# Altium PCB roach2.PcbDoc (part 26 of 39)
Units mil, origin at the board's own origin, x right, y up, seen from the top; angles counter-clockwise.
Board outline 12007.87 x 9606.3 mil, 16 copper layers (L1_TOP, L2_G, L3_S, L4_G, L5_S, L6_P, L7_G, L8_R, L9_R, L10_P, L11_P, L12_S, L13_P, L14_S, L15_G, L16_BOT), stack 81.651 mil thick; 1568 components, 1918 nets, 9251 pads, 6741 vias.
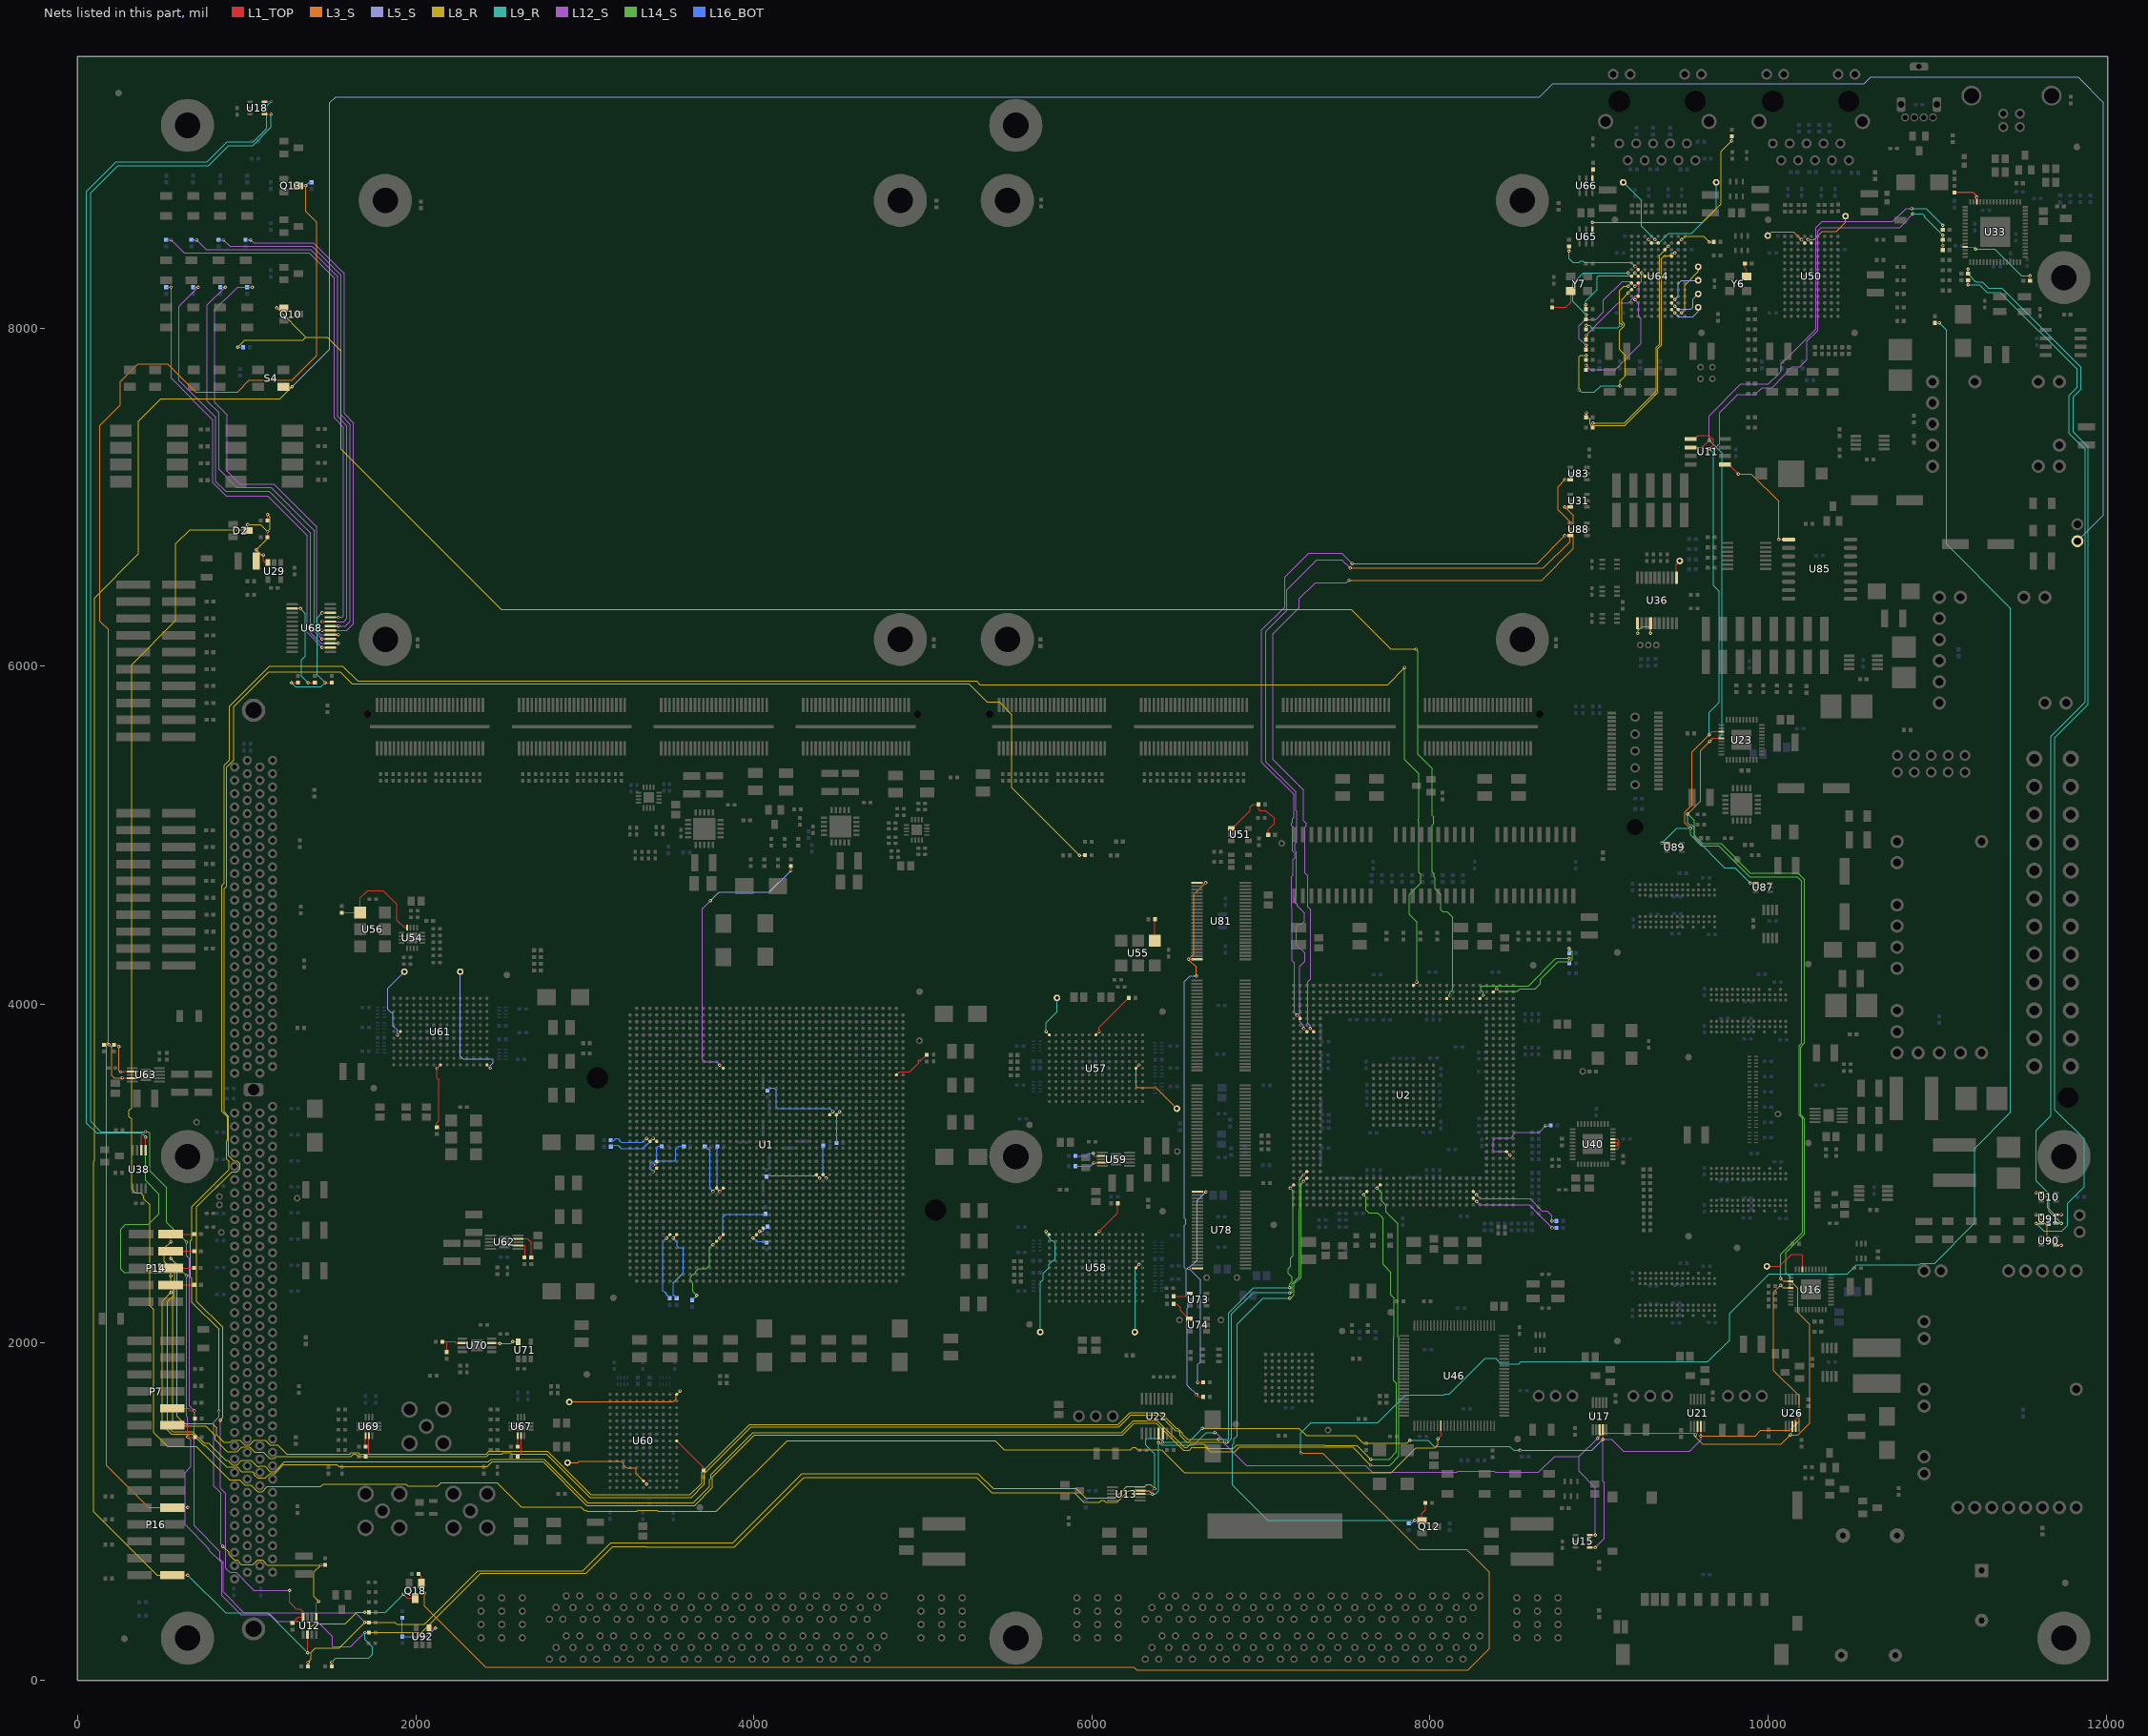
[diagram p40: the nets of this part, all layers, seen from the top]

## Via types
v1: diameter 19.4, hole 10, L1_TOP to L16_BOT, tented both sides, 3354 vias
v2: diameter 19.4, hole 10, L1_TOP to L16_BOT, 1954 vias
v3: diameter 19.4, hole 10, L1_TOP to L16_BOT, tented top, 429 vias
v4: diameter 18.6, hole 10, L1_TOP to L16_BOT, tented both sides, 311 vias
v5: diameter 59.06, hole 39.37, L1_TOP to L16_BOT, 217 vias
v6: diameter 19.4, hole 10.04, L1_TOP to L16_BOT, 125 vias
v7: diameter 19, hole 10, L1_TOP to L16_BOT, 93 vias
v8: diameter 19.4, hole 10, L1_TOP to L16_BOT, tented bottom, 80 vias
v9: diameter 25.98, hole 12.99, L1_TOP to L16_BOT, tented top, 55 vias
v10: diameter 20, hole 10, L1_TOP to L16_BOT, 53 vias
v11: diameter 59.06, hole 39.37, L1_TOP to L16_BOT, tented top, 44 vias
v12: diameter 20, hole 10, L1_TOP to L16_BOT, tented top, 16 vias
v13: diameter 19, hole 10, L1_TOP to L16_BOT, tented top, 5 vias
v14: diameter 25.98, hole 12.99, L1_TOP to L16_BOT, 4 vias
v15: diameter 50, hole 28, L1_TOP to L16_BOT, 1 vias

## Nets (pads, with @x,y where several pads share a name; then routed paths per layer and width w, separated by ;. In a path a pad name is that pad's centre, name@x,y a point inside that pad or via, vN(x,y) a via of type N, cw(c..) or ccw(c..) an arc to the next point about the centre after c; other vN are vias at no path point) (continued)
NetR250_2: R250.2 U2.AJ32 | length 702.5
  L1_TOP w5: U2.AJ32@8295.75,4033.86 v1(8315.43,4053.54)
  L14_S w3.8: v1(8315.43,4053.54) 8315.43,4070.85 8299.83,4086.45 8299.83,4099.38 8308.97,4108.51 8582.51,4108.51 8744.99,4270.99 v2(8822.99,4270.99)
  L16_BOT w5: v2(8822.99,4270.99) 8823.31,4270.68 R250.2@8823.31,4242.99
NetR251_2: R251.2 U2.AL33 | length 674
  L1_TOP w5: U2.AL33@8374.49,4073.23 v1(8394.17,4092.91)
  L14_S w3.8: v1(8394.17,4092.91) 8409.77,4077.31 8518.75,4077.31 8532.42,4090.99 8620.99,4090.99 8652.99,4122.99 8652.99,4148.08 8757.9,4252.99 8827.05,4252.99 8840.99,4266.93 8840.99,4312.99 v2(8822.99,4330.99)
  L16_BOT w5: v2(8822.99,4330.99) 8823.31,4330.68 R251.2@8823.31,4302.99
NetR255_1: R255.1 U1.AH10 | length 1678.5
  L1_TOP w5: v1(3798.31,3640.2) 3817.68,3620.83 U1.AH10@3818,3620.51 ; v2(4218.99,4791.65) R255.1@4218.99,4818.31
  L5_S w3.8: v2(3742.99,4612.99) 3794.59,4664.59 4091.94,4664.59 v2(4218.99,4791.65)
  L12_S w3.8: v2(3742.99,4612.99) 3698.99,4568.99 3696.99,4568.99 3696.99,3674.99 3712.99,3658.99 3779.52,3658.99 v1(3798.31,3640.2)
NetR257_1: R257.1 R262.2 U51.1 | length 490.7
  L1_TOP w5: U51.1@6823.15,5042.99 U51.1@6824.8,5041.34 6831.34,5041.34 6934.99,5144.99 6934.99,5164.99 6952.99,5182.99 R262.2@6985.31,5182.99 6985.31,5153.61 6991.93,5146.99 7026.99,5146.99 7054.39,5119.59 7060.1,5119.59 7078.99,5100.71 7078.99,5068.99 7043.31,5033.31 R257.1@7043.31,5002.99
NetR264_1: R264.1 U1.AR35 | length 456
  L1_TOP w5: v1(3522.72,2616.57) U1.AR35@3542.41,2636.26
  L16_BOT w5: v1@3523.62,2618.11 3523.62,2616.57 3523.62,2613.36 3545.89,2591.09 3545.89,2570.49 3555.38,2561 3575.98,2561 3583.99,2552.99 3583.99,2409.99 3524.99,2350.99 3524.99,2280.68 3542.99,2262.68 R264.1@3542.99,2266.4
NetR265_2: R265.2 U1.AT35 | length 412.6
  L1_TOP w5: v1(3483.35,2616.57) U1.AT35@3503.04,2636.26
  L16_BOT w5: v1@3484.25,2618.11 3483.03,2616.89 3461.99,2595.85 3461.99,2303.68 3466.01,2299.66 3471.28,2299.66 3480.77,2290.17 3480.77,2284.9 R265.2@3502.99,2262.68
NetR266_1: R266.1 U1.AV21 | length 316
  L1_TOP w5: v1(3404.61,3207.13) 3423.98,3187.76 U1.AV21@3424.3,3187.44
  L16_BOT w5: R266.1@3154.68,3157.99 3162.49,3165.81 3195.69,3165.81 3215.37,3146.12 3342.97,3146.12 3404.29,3207.45 v1@3405.51,3208.66
NetR267_2: R267.2 U1.AW21 | length 266.9
  L1_TOP w5: v1(3365.24,3207.13) 3384.61,3187.76 U1.AW21@3384.93,3187.44
  L16_BOT w5: R267.2@3153.68,3195.99 3173.08,3195.99 3182.27,3205.18 3197.81,3205.18 3207.99,3194.99 3207.99,3189.99 3214.99,3182.99 3340.47,3182.99 3364.92,3207.45 v1@3366.14,3208.66
NetR268_2: R268.2 U1.B11 | length 284.7
  L1_TOP w5: U1.B11@4841.62,3581.14 4842.84,3582.36 4861.94,3601.46 4922.09,3601.46 4973.73,3653.09 ccw(c4970.2,3656.63) 4973.73,3660.17 4972.96,3660.94 cw(c4976.49,3664.48) 4972.96,3668.01 cw(c4976.49,3664.48) 4980.03,3668.01 4980.8,3667.24 ; R268.2@5012.09,3691.46 4987.87,3667.24 ; 4980.8,3667.24 ccw(c4984.34,3670.77) 4987.87,3667.24 ; 4980.8,3667.24 ccw(c4984.34,3670.77) 4987.87,3667.24 ; 4980.8,3667.24 ccw(c4984.34,3670.77) 4987.87,3667.24 ; 4980.8,3667.24 ccw(c4984.34,3670.77) 4987.87,3667.24 ; 4980.8,3667.24 ccw(c4984.34,3670.77) 4987.87,3667.24 ; 4980.8,3667.24 ccw(c4984.34,3670.77) 4987.87,3667.24 ; 4980.8,3667.24 ccw(c4984.34,3670.77) 4987.87,3667.24 ; 4980.8,3667.24 ccw(c4984.34,3670.77) 4987.87,3667.24
NetR270_1: R270.1 U33.29 | length 483.1
  L1_TOP w5: U33.29@11164.84,8480.41 11216.44,8480.41 v13(11228.35,8468.5) ; R270.1@11549.68,8280 v3@11549.69,8307.49
  L9_R w3.94: v13(11228.35,8468.5) 11339.5,8468.5 11498.51,8309.49 v3(11549.69,8309.49)
NetR271_2: R271.2 U55.1 | length 126.3
  L1_TOP w5: R271.2@6372.68,4502.99 6372.99,4502.68 U55.1@6372.99,4376.81
NetR273_2: R273.2 U54.8 U56.1 | length 635.9
  L1_TOP w5: R273.2@1562.99,4542.31 1670.49,4542.31 U56.1@1671.17,4542.99 1671.17,4629.17 1714.99,4672.99 1806.99,4672.99 1888.99,4590.99 1888.99,4496.99 1931.97,4454.02 U54.8@1948.46,4454.02
NetR284_2: R284.2 Y7.1 | length 191
  L1_TOP w5: R284.2@8722.99,8123.31 8748.99,8123.31 ; 8750.99,8123.31 8748.99,8123.31 ; Y7.1@8832.99,8219.68 8832.99,8152.99 8803.31,8123.31 8748.99,8123.31
NetR285_1: R285.1 U2.AH3 | length 582.8
  L1_TOP w5: U2.AH3@8256.38,2892.13 v1(8276.06,2872.44)
  L12_S w3.8: v1(8276.06,2872.44) 8297.51,2850.99 8590.99,2850.99 8663.08,2778.91 8693.08,2778.91 8721.99,2749.99 v2(8721.99,2717.99)
  L16_BOT w5: v2(8721.99,2717.99) R285.1@8748.31,2717.99
NetR286_1: R286.1 U2.AH2 | length 564.3
  L1_TOP w5: U2.AH2@8256.38,2852.76 v1(8276.06,2833.07)
  L12_S w3.8: v1(8276.06,2833.07) 8296.14,2812.99 8584.99,2812.99 8719.99,2677.99 v2(8721.99,2677.99)
  L16_BOT w5: v2(8721.99,2677.99) R286.1@8748.31,2677.99
NetR287_1: R287.1 U2.AN9 | length 574.2
  L1_TOP w5: U2.AN9@8453.23,3128.35 v1(8472.91,3108.66)
  L12_S w3.8: v1(8472.91,3108.66) 8452.58,3128.99 8378.99,3128.99 8372.99,3134.99 8372.99,3192.99 8388.99,3208.99 8477.2,3208.99 8492.99,3224.79 8492.99,3229.54 8505.82,3242.37 8646.37,3242.37 v2@8684.99,3280.99
  L16_BOT w5: v2(8685.02,3282.99) R287.1@8711.34,3282.99
NetR317_1: R317.1 U1.AV24 | length 288.6
  L1_TOP w5: v1(3404.61,3049.64) U1.AV24@3424.3,3069.33
  L16_BOT w5: v1(3404.61,3049.64) 3420.4,3049.64 3443.57,3072.81 3529.43,3072.81 3538.92,3082.3 3538.92,3140.91 3558.01,3160 R317.1@3585.32,3160
NetR318_2: R318.2 U1.AV25 | length 230.9
  L1_TOP w5: v1(3404.61,3010.27) U1.AV25@3424.3,3029.96
  L16_BOT w5: v1(3404.61,3010.27) 3388.41,3026.47 3388.41,3056.35 3399.05,3066.99 3410,3066.99 3424,3080.99 3424,3149.99 3434.01,3160 R318.2@3455.31,3160
NetR319_1: R319.1 U1.AC35 | length 118.8
  L1_TOP w5: v1(3995.16,2616.57) U1.AC35@4014.85,2636.26
  L16_BOT w5: v1(3995.16,2616.57) 3998.5,2616.57 4019.08,2596 4048,2596 4054,2590 4074.68,2590 R319.1@4075,2589.68
NetR320_1: R320.1 U57.H11 | length 307
  L1_TOP w5: U57.H11@6023.62,3818.9 v1(6043.31,3838.58) 6043.31,3863.62 6217.99,4038.31 R320.1@6222.99,4043.31
NetR321_1: R321.1 U58.H11 | length 238.7
  L1_TOP w5: U58.H11@6023.62,2637.8 v1(6043.31,2657.48) 6152.68,2766.85 R321.1@6152.68,2822.99
NetR323_2: R323.2 U59.7 | length 179.4
  L1_TOP w5: v2(6007.87,3118.11) 6007.87,3106.3 6011.81,3102.36 U59.7@6061.97,3102.36
  L1_TOP w8: U59.7@6061.97,3102.36 U59.7@6062.28,3102.68
  L16_BOT w5: R323.2@5902.68,3102.99 5965.2,3102.99 5980.31,3118.11 v2(6007.87,3118.11)
NetR324_2: R324.2 U59.9 | length 168
  L1_TOP w5: v2(6012.13,3063.31) U59.9@6062.28,3063.31
  L16_BOT w5: R324.2@5902.68,3042.99 5991.81,3042.99 v2(6012.13,3063.31)
NetR325_1: R325.1 U1.AJ36 | length 470.8
  L1_TOP w5: v1(3758.94,2577.2) U1.AJ36@3778.63,2596.89
  L14_S w3.8: v2@3664.6,2280.64 v2(3661.89,2277.93) 3640,2299.82 3640,2349.99 3625.23,2364.75 3625.23,2386.81 3640,2401.58 3644.75,2401.58 3656.43,2413.26 3656.43,2418.01 3673.74,2435.32 3718,2435.32 3738,2455.32 3738,2560 v1@3758,2580
  L16_BOT w5: R325.1@3635,2249.68 v2@3662,2276.68
NetR326_2: R326.2 U1.AB34 | length 85.2
  L1_TOP w5: v1(4034.53,2655.94) U1.AB34@4054.22,2675.63
  L16_BOT w5: v1(4034.53,2655.94) 4051.26,2655.94 R326.2@4080,2684.69
NetR327_2: R327.2 U1.AH35 | length 421
  L1_TOP w5: v1(3798.31,2616.57) U1.AH35@3818,2636.26
  L16_BOT w5: v1(3798.31,2616.57) 3818,2636.26 3818,2742 3833.85,2757.85 4067.54,2757.85 R327.2@4070,2760.31
NetR328_1: R328.1 U1.AH28 | length 303.7
  L1_TOP w5: v1(3798.31,2892.16) U1.AH28@3818,2911.85
  L16_BOT w5: R328.1@3785.32,3160 3782.11,3156.8 3782.11,2908.36 v1(3798.31,2892.16)
NetR329_2: R329.2 U1.AJ28 | length 321.5
  L1_TOP w5: v1(3758.94,2892.16) U1.AJ28@3778.63,2911.85
  L16_BOT w5: R329.2@3710.31,3160 3710.87,3160 3726.87,3144 3730,3144 3740,3134 3740,3126.75 ; 3740,3130.31 3740,3126.75 ; v1(3758.94,2892.16) 3740,2911.11 3740,3126.75
NetR330_1: R330.1 U1.P26 | length 351.2
  L1_TOP w5: U1.P26@4369.18,2990.59 v1(4388.87,2970.9)
  L16_BOT w5: R330.1@4075,2980.32 4081.79,2987.1 4372.67,2987.1 v1(4388.87,2970.9)
NetR331_2: R331.2 U1.N26 | length 229.6
  L1_TOP w5: U1.N26@4408.55,2990.59 v1(4428.24,2970.9)
  L16_BOT w5: R331.2@4410.31,3165 4410,3164.69 4410,2989.14 v1(4428.24,2970.9)
NetR332_1: R332.1 U1.L17 | length 219.3
  L1_TOP w5: U1.L17@4487.29,3344.92 4488.51,3346.14 v1(4506.98,3364.61)
  L16_BOT w5: R332.1@4490.31,3180 4490.31,3347.95 v1(4506.98,3364.61)
NetR333_2: R333.2 U1.M17 | length 538.3
  L1_TOP w5: U1.M17@4448.82,3346.46 v1(4467.29,3364.92)
  L16_BOT w5: R333.2@4080,3489.69 4096.31,3506 4106.45,3506 4106.57,3505.89 4120.11,3505.89 4134,3492 4134,3390 4140,3384 4448.21,3384 v1(4467.29,3364.92)
NetR348_1: R348.1 R349.1 U92.4 | length 366.6
  L1_TOP w5: U92.4@2077.4,311.18 2114.82,311.18 v7(2116,310)
  L16_BOT w5: R348.1@1920,370.32 R349.1@1920,259.68 2065.68,259.68 v7(2116,310)
NetR371_1: R371.1 U60.H11 | length 240.8
  L1_TOP w5: U60.H11@3543.31,1417.32 3702.99,1257.64 R371.1@3702.99,1242.68
NetR372_1: R372.1 U61.H11 | length 388.7
  L1_TOP w5: R372.1@2124.99,3271.68 2124.99,3299.99 2134.99,3309.99 2134.99,3555.49 2125.98,3564.5 v1(2125.98,3622.05) U61.H11@2145.67,3641.73 ; R372.1@2125.98,3269.08 R372.1@2125.98,3271.68
NetR374_2: R374.2 U62.7 | length 115.1
  L1_TOP w5: U62.7@2603.7,2573.31 2646.68,2573.31 2646.68,2506.36 R374.2@2642.99,2502.68
NetR375_2: R375.2 U62.9 | length 176
  L1_TOP w5: U62.9@2603.7,2612.68 2660.31,2612.68 2682.99,2589.99 R375.2@2682.99,2502.68
NetR380_2: R380.2 U63.7 | length 260
  L1_TOP w5: R380.2@214.8,3761.02 232.96,3761.02 v2(242.99,3750.99) ; v2(254.99,3599.59) 271.59,3599.59 274.68,3602.68 U63.7@322.28,3602.68
  L3_S w3.8: v2(242.99,3750.99) 242.99,3606.99 250.39,3599.59 v2(254.99,3599.59)
NetR382_2: R382.2 U63.9 | length 349.2
  L1_TOP w5: R382.2@154.8,3761.02 v2(184.99,3760.99) ; v2(264.99,3564.99) 266.68,3563.31 U63.9@322.28,3563.31
  L3_S w3.8: v2(184.99,3760.99) v2@184.99,3762.99 ; v2@185.99,3761.99 202.99,3744.99 202.99,3576.99 214.99,3564.99 v2(264.99,3564.99)
NetR391_1: R391.1 U65.4 | length 1274.4
  L1_TOP w5: U65.4@8960.39,8586.3 v2(8960.39,8626.3) v2@8960.39,8628.3 ; v2(9784.99,9108.73) R391.1@9784.99,9135.31
  L8_R w3.8: v2(8960.39,8626.3) 9612.3,8626.3 9722.99,8736.99 9722.99,9046.73 v2(9784.99,9108.73)
NetR396_1: R396.1 U66.4 | length 54.9
  L1_TOP w5: U66.4@8960.39,8886.3 8960.39,8934.71 R396.1@8964.99,8939.31
NetR400_2: R400.2 U64.L4 | length 1395.3
  L1_TOP w5: R400.2@8962.68,7412.99 v2(8962.68,7438.99) v2@8962.68,7440.99 ; U64.L4@9389.76,8464.57 v1(9409.45,8484.25)
  L8_R w3.8: v2(8962.68,7438.99) 9148.99,7438.99 9338.99,7628.99 9338.99,7886.99 9356.99,7904.99 9356.99,8431.79 v1(9409.45,8484.25)
NetR402_2: R402.2 U64.K3 | length 1511.8
  L1_TOP w5: R402.2@8923.31,7472.99 v2(8923.31,7498.99) v2@8923.31,7500.99 ; U64.K3@9429.13,8425.2 v1(9448.82,8444.88)
  L8_R w3.8: v2(8923.31,7498.99) 8923.31,7484.68 8947.08,7460.91 8947.08,7432.53 8956.22,7423.39 8969.14,7423.39 8970.74,7424.99 9152.99,7424.99 9346.79,7618.79 9346.79,7878.59 9370.46,7902.26 9370.46,8412.46 9387.28,8429.28 9415.91,8429.28 9431.51,8444.88 v1(9448.82,8444.88)
NetR403_2: R403.2 U64.G8 | length 479.7
  L1_TOP w5: R403.2@8921.34,8112.99 v2(8921.34,8138.99) v2@8921.34,8140.99 ; v1(9212.6,8326.77) U64.G8@9232.28,8307.09
  L9_R w3.8: v2(8921.34,8138.99) 8921.34,8161.34 8990,8230 8990,8301.25 8997.75,8308.99 9194.82,8308.99 v1(9212.6,8326.77)
NetR404_2: R404.2 U64.G9 | length 628.1
  L1_TOP w5: R404.2@8923.31,8052.99 v2(8923.31,8078.99) v2@8923.31,8080.99 ; v1(9173.23,8326.77) U64.G9@9192.91,8307.09
  L9_R w3.8: v2(8923.31,8078.99) 8844.99,8157.31 8844.99,8264.99 8906.77,8326.77 v1(9173.23,8326.77)
NetR405_2: R405.2 U64.F9 | length 543.9
  L1_TOP w5: R405.2@8922.99,7990.99 8922.99,7992.99 v3(8922.99,8016.99) v3@8922.99,8018.99 ; v1(9173.23,8248.03) U64.F9@9192.91,8267.72
  L8_R w3.8: v2(9128.99,8018.99) 9120.99,8026.99 9120.99,8222.99 9146.03,8248.03 v1(9173.23,8248.03)
  L9_R w3.8: v3(8922.99,8016.99) 8942.62,8016.99 8956.22,8003.39 9113.39,8003.39 v2(9128.99,8018.99)
NetR406_2: R406.2 U64.G7 | length 599.5
  L1_TOP w5: R406.2@8923.31,7932.99 v2(8923.31,7958.99) v2@8923.31,7960.99 ; v1(9251.97,8326.77) U64.G7@9271.65,8307.09
  L12_S w3.8: v2(8923.31,7958.99) 8924.74,7958.99 8978.28,8012.53 8978.28,8013.96 9113.31,8148.99 9174.99,8148.99 9188.83,8162.83 9188.83,8167.58 9214.31,8193.06 9219.06,8193.06 9236.37,8210.37 9236.37,8263.63 9251.97,8279.23 v1(9251.97,8326.77)
NetR408_2: R408.2 U64.F8 | length 679.7
  L1_TOP w5: R408.2@8923.31,7872.99 v2(8923.31,7898.99) v2@8923.31,7900.99 ; v1(9212.6,8248.03) U64.F8@9232.28,8267.72
  L12_S w3.8: v2(8923.31,7898.99) 8882.99,7939.31 8882.99,8014.99 8918.99,8050.99 8980.99,8050.99 9026.99,8096.99 9026.99,8166.99 9136.99,8276.99 9183.64,8276.99 v1(9212.6,8248.03)
NetR409_2: R409.2 U64.E9 | length 1174.8
  L1_TOP w5: R409.2@8923.31,7812.99 v2(8923.31,7838.99) v2@8923.31,7840.99 ; v1(9173.23,8208.66) U64.E9@9192.91,8228.35
  L8_R w3.8: v2(8880.99,7634.99) 8880.99,7830.99 8888.99,7838.99 v2(8923.31,7838.99) ; v2(9124.99,7658.99) 9124.99,7690.99 9128.99,7694.99 9132.99,7694.99 9154.99,7716.99 9154.99,7838.99 9120.99,7872.99 9120.99,7984.99 9148.99,8012.99 9148.99,8024.99 9134.99,8038.99 9134.99,8170.42 v1(9173.23,8208.66)
  L9_R w3.8: v2(8880.99,7634.99) 8894.99,7620.99 8972.99,7620.99 9010.99,7658.99 v2(9124.99,7658.99)
NetR410_2: R410.2 U64.D8 | length 730.3
  L1_TOP w5: R410.2@8923.31,7752.99 v2(8923.31,7778.99) v2@8923.31,7780.99 ; v1(9212.6,8169.29) U64.D8@9232.28,8188.98
  L12_S w3.8: v2(8923.31,7778.99) 8947.31,7754.99 9094.99,7754.99 9248.59,7908.59 9248.59,8056.59 9234.99,8070.19 9234.99,8146.9 v1(9212.6,8169.29)
NetR413_2: R413.2 U64.H8 | length 516.4
  L1_TOP w5: v2@8822.99,8455.31 v2(8822.99,8457.31) R413.2@8822.99,8483.31 ; v1(9212.6,8366.14) U64.H8@9232.28,8346.46
  L9_R w3.8: v2(8822.99,8457.31) 8822.99,8412.99 8846.07,8389.91 8882.17,8389.91 8890.85,8398.59 8903.77,8398.59 8912.45,8389.91 9188.83,8389.91 v1(9212.6,8366.14)
NetR414_2: R414.2 U64.M2 | length 240.9
  L1_TOP w5: U64.M2@9468.5,8503.94 v1(9488.19,8523.62) ; v2(9651.72,8510.99) R414.2@9678.31,8510.99
  L8_R w3.8: v1(9488.19,8523.62) 9509.56,8544.99 9617.72,8544.99 v2(9651.72,8510.99)
NetR419_1: R419.1 U67.7 | length 69.1
  L1_TOP w5: R419.1@2602.68,1382.99 2603.31,1383.62 U67.7@2603.31,1451.81
NetR422_2: R422.2 U68.15 | length 2832.6
  L1_TOP w5: U68.15@1494.2,6136.43 v2(1542.36,6136.43)
  L12_S w3.8: v2(712.99,8242.99) 598.99,8128.99 598.99,7690.99 816.99,7472.99 816.99,7092.99 874.99,7034.99 1130.99,7034.99 1378.99,6786.99 1378.99,6196.99 1439.56,6136.43 v2(1542.36,6136.43)
  L16_BOT w5: R422.2@682.99,8242.68 v2@712.68,8242.68
NetR423_2: R423.2 U68.14 | length 2722.8
  L1_TOP w5: v2(1446.03,6110.83) U68.14@1494.2,6110.83
  L12_S w3.8: v2(552.99,8242.99) 552.99,7702.99 798.99,7456.99 798.99,7086.99 878.99,7006.99 1122.99,7006.99 1356.99,6772.99 1356.99,6199.87 v2(1446.03,6110.83)
  L16_BOT w5: R423.2@522.99,8242.68 v2@552.68,8242.68
NetR424_2: R424.2 U68.16 | length 2602.3
  L1_TOP w5: v2(1446.03,6162.02) U68.16@1494.2,6162.02
  L12_S w3.8: v2(872.99,8242.99) 766.99,8136.99 766.99,7568.99 834.99,7500.99 834.99,7164.99 940.99,7058.99 1142.99,7058.99 1400.99,6800.99 1400.99,6207.06 v2(1446.03,6162.02)
  L16_BOT w5: R424.2@842.99,8242.68 v2@872.68,8242.68
NetR425_2: R425.2 U68.17 | length 2760.1
  L1_TOP w5: U68.17@1494.2,6187.61 v2(1542.36,6187.61)
  L12_S w3.8: v2(1032.99,8242.99) 944.99,8242.99 810.99,8108.99 810.99,7560.99 884.99,7486.99 884.99,7152.99 958.99,7078.99 1160.99,7078.99 1414.99,6824.99 1414.99,6208.99 1436.38,6187.61 v2(1542.36,6187.61)
  L16_BOT w5: R425.2@1002.99,8242.68 v2@1032.68,8242.68
NetR429_2: R429.2 U67.8 | length 137.2
  L1_TOP w5: R429.2@2602.68,1322.99 2622.99,1343.31 U67.8@2622.99,1451.81
NetR430_1: R430.1 R436.2 U68.22 | length 790.2
  L1_TOP w5: v2(1264.3,5902.71) 1264.9,5903.31 R436.2@1302.99,5903.31 ; v2(1446.03,6315.56) U68.22@1494.2,6315.56 ; v2(1464.3,5902.71) 1464.9,5903.31 R430.1@1502.99,5903.31
  L9_R w3.8: v2(1264.3,5902.71) 1288.02,5878.99 1440.58,5878.99 v2(1464.3,5902.71) 1416.99,5950.02 1416.99,6286.52 v2(1446.03,6315.56)
NetR431_1: R431.1 U68.21 | length 3192.2
  L1_TOP w5: U68.21@1494.2,6289.97 v2(1542.36,6289.97)
  L12_S w3.8: v3(552.99,8522.99) 630.99,8444.99 1368.99,8444.99 1517.59,8296.39 1517.59,7470.39 1572.99,7414.99 1572.99,6296.99 1565.97,6289.97 v2(1542.36,6289.97)
  L16_BOT w5: R431.1@522.99,8522.68 v3@552.68,8522.68
NetR432_1: R432.1 U68.20 | length 3201.8
  L1_TOP w5: v2(1446.03,6264.38) U68.20@1494.2,6264.38
  L12_S w3.8: v2(702.99,8522.99) 761.19,8464.79 1377.19,8464.79 1537.39,8304.59 1537.39,7478.59 1592.79,7423.19 1592.79,6282.79 1574.38,6264.38 v2(1446.03,6264.38)
  L16_BOT w5: R432.1@672.99,8522.68 v2@702.68,8522.68
NetR433_1: R433.1 U68.19 | length 3010
  L1_TOP w5: U68.19@1494.2,6238.79 v2(1542.36,6238.79)
  L12_S w3.8: v2(862.99,8522.99) 901.39,8484.59 1385.39,8484.59 1557.19,8312.79 1557.19,7486.79 1612.59,7431.39 1612.59,6266.59 1584.79,6238.79 v2(1542.36,6238.79)
  L16_BOT w5: R433.1@832.99,8522.68 v2@862.68,8522.68
NetR434_1: R434.1 U68.18 | length 3009.7
  L1_TOP w5: v2(1446.03,6213.2) U68.18@1494.2,6213.2
  L12_S w3.8: v2(1022.99,8522.99) 1041.59,8504.39 1393.59,8504.39 1576.99,8320.99 1576.99,7494.99 1632.39,7439.6 1632.39,6252.39 1593.2,6213.2 v2(1446.03,6213.2)
  L16_BOT w5: R434.1@992.99,8522.68 v2@1022.68,8522.68
NetR435_1: R435.1 U68.2 | length 563
  L1_TOP w5: U68.2@1269.79,6341.15 v2(1317.95,6341.15) ; v2(1364.3,5902.71) 1364.9,5903.31 R435.1@1402.99,5903.31
  L9_R w3.8: v2(1317.95,6341.15) 1346.99,6312.11 1346.99,6058.99 1324.99,6036.99 1324.99,5942.02 v2(1364.3,5902.71)
NetR438_1: R438.1 U69.7 | length 69.1
  L1_TOP w5: R438.1@1702.68,1382.99 1702.68,1451.18 U69.7@1703.31,1451.81
NetR445_2: R445.2 U69.8 | length 137.2
  L1_TOP w5: R445.2@1702.68,1322.99 1722.99,1343.31 U69.8@1722.99,1451.81
NetR447_1: R447.1 R450.2 U70.6 | length 187.8
  L1_TOP w5: R447.1@2156.68,2003.99 2183.99,2003.99 ; R450.2@2182.99,1942.68 2183.99,1943.68 2183.99,2003.99 ; U70.6@2279.33,1995.79 2240.2,1995.79 2231.99,2003.99 2183.99,2003.99
NetR463_1: R463.1 U73.4 | length 109.2
  L1_TOP w5: R463.1@6482.68,2272.99 6556.99,2272.99 6574.39,2290.39 U73.4@6584.68,2290.39
NetR470_1: R470.1 U74.4 | length 153.3
  L1_TOP w5: R470.1@6480.68,2226.99 6503.01,2226.99 6524,2206 6524,2188 6571.61,2140.39 U74.4@6576.81,2140.39 U74.4@6576.81,2151.19
NetR487_2: R487.2 U78.1 U78.24 | length 1371.3
  L1_TOP w5: v1(6572.93,2437.86) U78.24@6623.93,2437.86 U78.24@6640.87,2437.86 ; U78.1@6606.99,2890.61 U78.1@6623.93,2890.61 v1(6674.93,2890.61) ; v2(6626.99,1762.99) R487.2@6658.31,1762.99
  L5_S w3.8: v2(6626.99,1762.99) 6626.99,1868.45 6641.28,1882.75 6641.28,2369.5 v1(6572.93,2437.86) 6622.99,2487.92 6622.99,2838.68 v1(6674.93,2890.61)
NetR490_2: R490.2 U81.1 U81.24 | length 3362.8
  L1_TOP w5: v1(6570.73,4266.54) U81.24@6621.73,4266.54 U81.24@6638.67,4266.54 ; U81.1@6604.79,4719.3 U81.1@6621.73,4719.3 v1(6672.73,4719.3) ; v2(6618.99,1690.99) 6631.99,1677.99 R490.2@6658.31,1677.99
  L3_S w3.8: v3(6616.99,4166.99) 6616.99,4220.28 v1(6570.73,4266.54) 6602.99,4298.8 6602.99,4649.56 v1(6672.73,4719.3)
  L5_S w3.8: v3(6616.99,4166.99) 6580.99,4166.99 6546.99,4132.99 6546.99,2734.19 6556.59,2724.59 6556.59,2702.53 6546.99,2692.93 6546.99,2442.99 6557.33,2432.65 6557.33,2274.32 6570.59,2261.05 6570.59,2208.53 6564.99,2202.93 6564.99,1744.99 v2(6618.99,1690.99)
NetR491_1: R491.1 U33.14 | length 198.5
  L1_TOP w5: U33.14@11234.72,8747.14 v3(11234.72,8774.64)